# Allegro board MB1225_REVB_160222_1K.brd
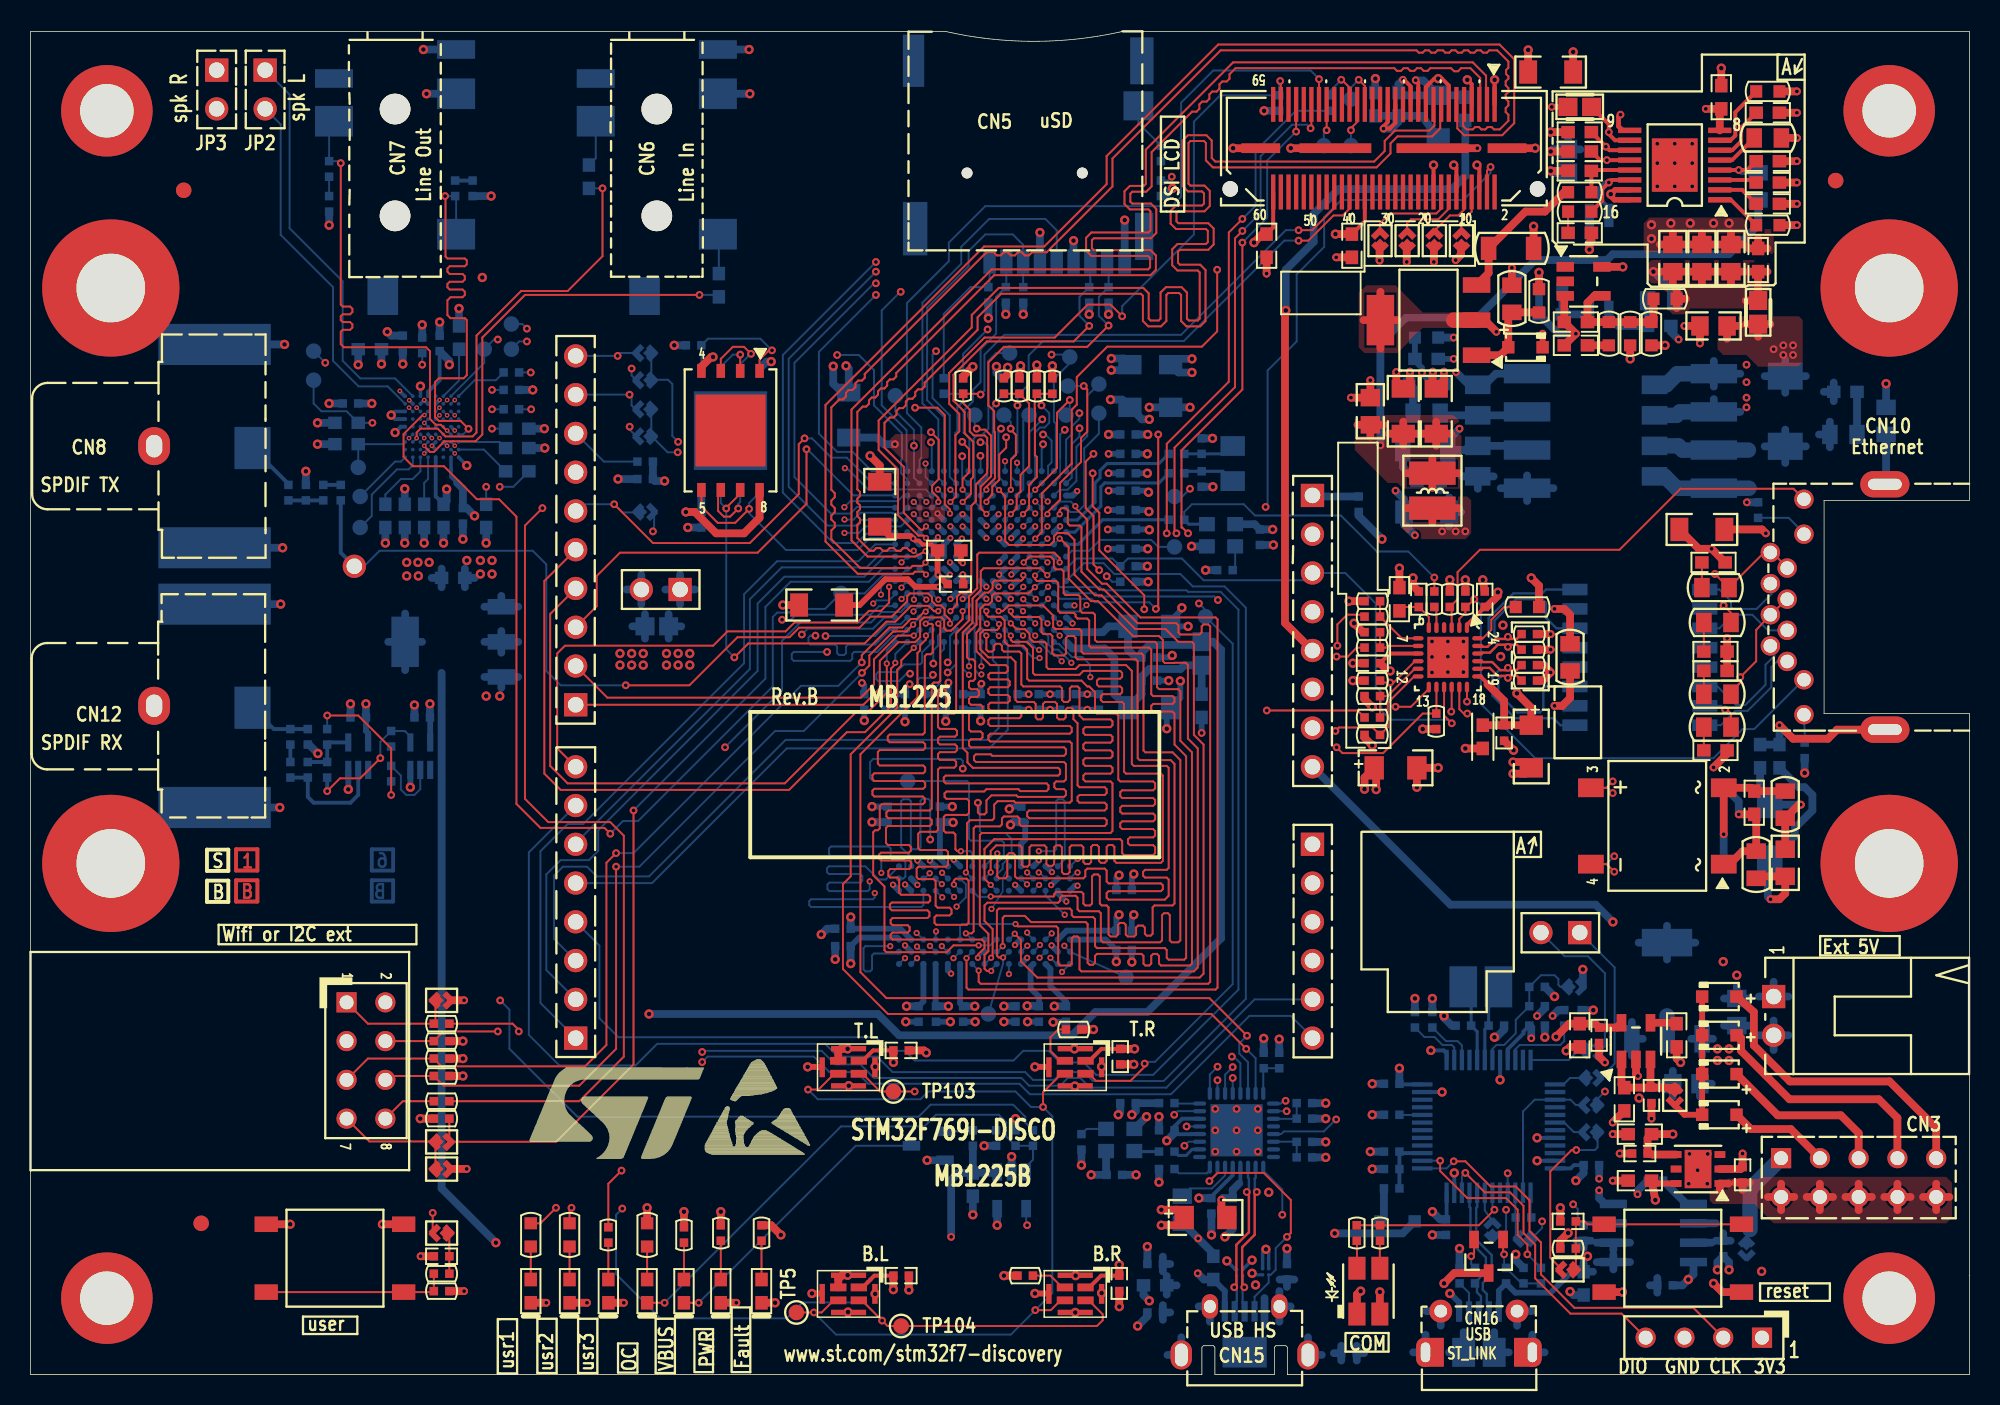
[diagram p0: board, top side]
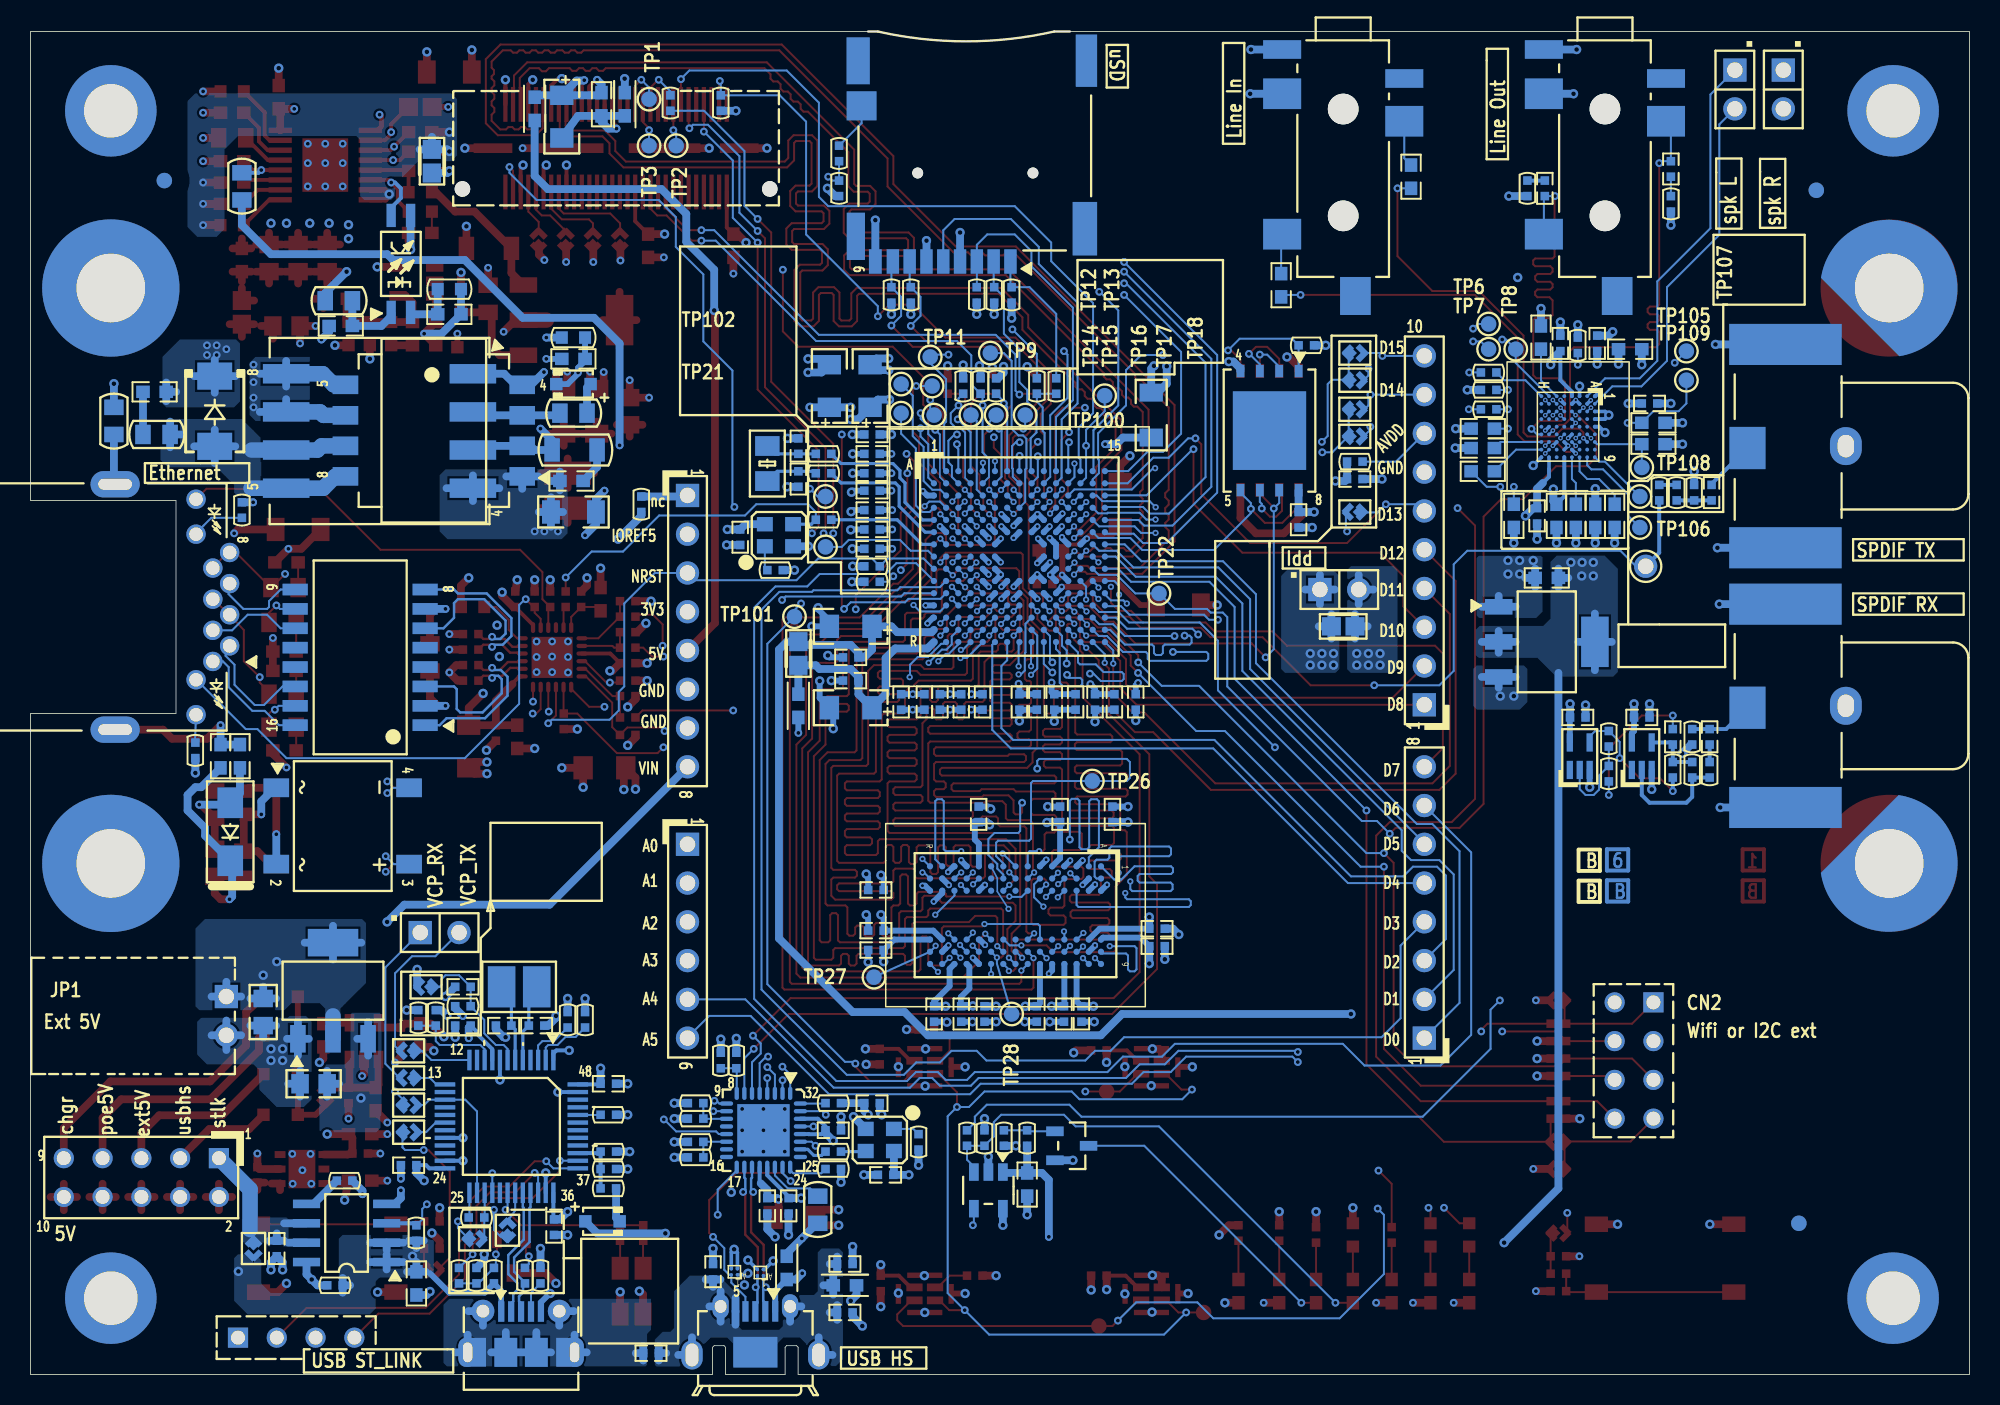
[diagram p1: board, bottom side, seen from below]

Outline 127 x 88 mm; copper layers: TOP, L2_GND, L3_VCC, L4_SIG, L5_GND, BOTTOM. Coordinates in mm from the lower left corner of the outline.
Outline path: 0,88 0,0 76.72,0 76.72,1.79 76.82,1.89 77.47,1.89 77.57,1.79 77.57,0 81.47,0 81.47,1.79 81.57,1.89 82.22,1.89 82.32,1.79 82.32,0 127,0 127,43.31 117.47,43.31 117.47,57.28 127,57.28 127,88 71.5,88 arc(65.72,87.36) 59.94,88 0,88

## Design rules (mm)
net group NETB1_2: nets NETB1_2 NETC54_2
net group NETC12_2: nets NETC12_2 NETR5_2
net group NETC26_2: nets NETC26_2 NETCN10_7
net group NETC32_2: nets NETC32_2 NETD9_4
net group NETC37_2: nets NETC37_2 NETD9_3
net group NETC39_1: nets NETC39_1 NETR3_2
net group NETC39_2: nets NETC8_2 NETC39_2
net group NETC57_1: nets NETC57_1 NETC57_2
net group NETC58_1: nets NETC58_1 NETC58_2
net group NETC59_1: nets NETC59_1 NETC59_2
net group NETC62_1: nets NETC62_1 NETC62_2
net group NETC82_1: nets NETC82_1 NETC82_2
net group NETC148_1: nets NETC148_1 NETR142_1
net group NETCN2_8: nets NETCN2_8 PD2
net group NETCN9_8: nets NETCN9_8 VREF+
net group NETLD3_1: nets NETLD3_1 NETR64_2
net group NETR38_1: nets NETR38_1 NETR38_2
net group NETR88_2: nets NETR88_2 PD12
net group NETR95_2: nets NETR95_2 PB7
net group NETR136_2: nets NETR136_2 OSC_24M
net group RD: nets RD_N RD_P
net group T_JTMS: nets T_JTMS T_SWDIO_IN
net group TD: nets TD_N TD_P
net group USB_HS: nets USB_HS_N USB_HS_P
net group USB_STLK: nets USB_STLK_N USB_STLK_P
net group 3V3_ST_LINK: nets AIN_1 NETD11_2 PWR_EXT STM_RST
net group 5V: nets NETLD6_1
net group 5V_USB_CHARGER: nets NETLD7_1 NETLD7_2 NETR145_1 PWR_ENN USB_RENUMN
net group AGND: nets NETR4_2
net group CRL: nets PF11 PG15 PH2 PH3
net group DSI: nets DSI.DSI_CK_N DSI.DSI_CK_P DSI.DSI_D0_N DSI.DSI_D0_P DSI.DSI_D1_N DSI.DSI_D1_P
net group LED_STLINK: nets LED_STLINK NETLD8_2 NETLD8_3
net group NETC21_1: nets NETC21_1
net group NETC22_1: nets NETC22_1
net group NETC44_1: nets NETR51_1
net group NETC87_1: nets NETC87_1 NETC87_2 NETR100_2 PD11
net group NETC119_1: nets NETC119_1 NETC119_2 NETR112_1 PG12
net group NETC120_1: nets NETC120_1 NETC120_2 NETR115_1
net group NETD1_1: nets NETD1_1 NETD1_2 NETR2_1
net group NETR71_1: nets NETR71_1
net group QSPI: nets PB6

## Placement (name value [footprint] x y rotation side)
B1  SW-PUSH-CMS_BLUE  [PB10]  19.94 7.62 180 top
B2  SW-PUSH-CMS_BLACK  [PB10]  107.57 7.62 180 top
C1  100nF  [0603C]  86.55 73.96 90 top
C2  100nF  [0603C]  80.96 73.96 90 top
C3  1nF_2KV_X7R_10%_1206  [1206C]  99.57 85.34 180 top
C4  1nF_100V_X7R_10%_0603  [0603C]  110.74 83.69 90 top
C5  10nF_100V_X7R_10%_0603  [0603C]  113.79 82.68 180 top
C6  100nF_50V_X7R_10%_0603  [0603C]  101.47 81.41 0 top
C7  100nF_50V_X7R_10%_0603  [0603C]  101.47 80.14 0 top
C8  1nF_100V_X7R_10%_0603  [0603C]  113.79 79.5 180 top
C9  470pF_100V_X7R_10%_0603  [0603C]  101.47 78.87 0 top
C10  10nF_100V_X7R_10%_0603  [0603C]  113.79 78.11 0 top
C11  100nF_50V_X7R_10%_0603  [0603C]  113.79 76.71 0 top
C12  100nF_50V_X7R_10%_0603  [0603C]  101.47 74.8 180 top
C13  47uF_X5R_20%_0805  [0805C]  107.57 73.15 270 top
C14  47uF_X5R_20%_0805  [0805C]  109.47 73.15 270 top
C15  47uF_X5R_20%_0805  [0805C]  111.38 73.15 270 top
C16  100nF_X7R_10%_0603  [0603C]  113.16 73.03 270 top
C17  100pF_50V_X7R_10%_0603  [0603C]  101.22 68.96 0 top
C18  47uF_X5R_20%_0805  [0805C]  110.24 68.71 0 top
C19  22nF_50V_X7R_10%_0603  [0603C]  101.22 67.44 0 top
C20  4.7uF_100V_X7S_20%_1206  [1206C]  91.44 56.52 0 bottom
C21  560pF_X7R_10%_0603  [0603C]  118.87 64.39 180 bottom
C22  27pF_100V_NPO_5%_0603  [0603C]  91.57 58.55 0 bottom
C23  2.2uF[N_A]  [1206C]  55.63 57.02 270 top
C24  1uF_25V_X5R_10%_0603  [0603C]  91.44 66.55 180 bottom
C25  2.2uF  [0603C]  60.17 54 180 top
C26  1nF_100V  [0603C]  110.24 53.21 180 top
C27  100nF  [0402C]  60.58 51.79 180 top
C28  1uF  [0603C]  89.66 50.8 270 top
C29  470pF  [0402C]  90.93 50.8 270 top
C30  100nF  [0402C]  95.25 50.8 270 top
C31  2.2uF  [1206C]  51.82 50.42 0 top
C32  1nF_100V  [0603C]  110.36 47.37 180 top
C33  100nF  [0402C]  87.88 46.61 0 top
C34  1nF_100V  [0603C]  110.36 46.1 180 top
C35  100nF  [0402C]  96.52 42.04 90 top
C36  10uF  [TAN-A]  98.3 41.15 90 top
C37  1nF_100V  [0603C]  110.36 40.89 180 top
C38  10uF  [TAN-A]  89.41 39.75 180 top
C39  1nF_100V_X7R_10%_0603  [0603C]  112.9 37.47 270 top
C40  100nF_100V_X7R_10%_0805  [0805C]  114.94 33.53 270 top
C41  1uF  [0603C]  101.47 22.23 270 top
C42  100nF  [0402C]  102.74 22.23 90 top
C43  10nF  [0603C]  107.82 22.23 90 top
C44  100nF  [0402C]  57.02 21.23 0 top
C45  100nF  [0402C]  71.37 20.83 270 top
C46  100nF  [0402C]  106.17 18.29 90 top
C47  1uF  [0603C]  104.39 18.03 90 top
C48  1uF  [0603C]  105.41 15.75 0 top
C49  100nF  [0402C]  105.41 14.48 0 top
C50  100nF  [0402C]  112.14 13.08 270 top
C51  1uF  [0603C]  105.41 12.7 0 top
C52  2.2uF_X7R_10%_0805  [TAN-A]  76.96 10.29 180 top
C53  100nF  [0402C]  100.71 10.03 0 top
C54  100nF  [0402C]  26.92 7.75 0 top
C55  100nF  [0402C]  57.02 6.48 0 top
C56  100nF  [0402C]  71.31 5.97 270 top
C57  100nF  [0402C]  19.56 78.99 270 bottom
C58  1uF  [0603C]  36.58 78.49 90 bottom
C59  100nF  [0402C]  27.81 77.72 90 bottom
C60  100nF  [0603C]  89.6 83.23 90 bottom
C61  10uF  [TAN-A]  92.2 82.42 90 bottom
C62  1uF  [0603C]  45.09 71.37 90 bottom
C63  1uF  [0603C]  28.07 67.94 270 bottom
C64  100nF  [0402C]  26.8 67.56 90 bottom
C65  100nF  [0402C]  24.38 67.56 90 bottom
C66  1uF_25V_X5R_10%_0603  [0603C]  106.68 68.71 0 bottom
C67  1uF  [0603C]  22.23 67.18 0 bottom
C68  4.7uF  [TAN-A]  74.68 64.77 270 bottom
C69  4.7uF  [TAN-A]  72.01 64.77 270 bottom
C70  4.7uF_100V_X7S_20%_1206  [1206C]  89.92 63.12 270 top
C71  100nF  [0402C]  20.95 63.63 180 bottom
C72  2.2uF  [1206C]  53.59 62.87 270 bottom
C73  4.7uF  [0603C]  20.7 62.36 0 bottom
C74  2.2uF  [0603C]  31.88 61.98 0 bottom
C75  4.7uF_100V_X7S_20%_1206  [1206C]  92.08 63.12 270 top
C76  100nF  [0402C]  71.88 61.59 180 bottom
C77  5.1pF_NPO_-+0.25pF_0402  [0402C]  76.71 60.83 270 bottom
C78  2.2uF  [0603C]  31.88 60.71 0 bottom
C79  4.7uF  [0603C]  20.7 60.96 0 bottom
C80  100nF  [0402C]  71.88 60.33 180 bottom
C81  100nF_100V_X7R_10%_0805  [0805C]  87.76 63.12 270 top
C82  2.2uF  [0603C]  31.88 59.18 0 bottom
C83  100nF  [0402C]  71.88 59.05 180 bottom
C84  5.1pF_NPO_-+0.25pF_0402  [0402C]  76.71 58.67 90 bottom
C85  [NA]  [0402C]  40.26 58.67 0 bottom
C86  100nF  [0402C]  71.88 57.91 180 bottom
C87  100nF  [0402C]  16.89 57.78 90 bottom
C88  100nF  [0402C]  71.88 56.64 180 bottom
C89  1nF_2KV  [1206C]  109.47 55.37 180 top
C90  1uF  [0603C]  29.84 56.26 270 bottom
C91  100nF  [0402C]  28.32 56.26 270 bottom
C92  4.7uF  [0603C]  27.05 56.26 270 bottom
C93  4.7uF  [0603C]  25.78 56.26 270 bottom
C94  4.7uF  [0603C]  24.51 56.26 270 bottom
C95  4.7uF  [0603C]  23.24 56.26 90 bottom
C96  100nF_X7R_10%_0402  [0402C]  43.94 56.01 90 bottom
C97  100nF  [0402C]  71.88 55.37 180 bottom
C98  100nF  [0402C]  80.52 54.86 90 bottom
C99  100nF  [0402C]  71.88 54.1 180 bottom
C100  10uF  [0603C]  27.69 52.2 180 bottom
C101  1uF  [TAN-A]  73.28 49.02 180 bottom
C102  100nF  [0402C]  73.28 46.99 180 bottom
C103  100nF  [0402C]  73.28 45.47 180 bottom
C104  100nF  [0402C]  69.98 44.07 90 bottom
C105  100nF  [0402C]  68.45 44.07 90 bottom
C106  100nF  [0402C]  67.44 44.07 90 bottom
C107  100nF  [0402C]  66.04 44.07 90 bottom
C108  100nF  [0402C]  64.64 44.07 90 bottom
C109  100nF  [0402C]  62.23 44.07 90 bottom
C110  100nF  [0402C]  61.09 44.07 90 bottom
C111  100nF  [0402C]  59.94 44.07 90 bottom
C112  100nF  [0402C]  58.55 44.07 90 bottom
C113  100nF  [0402C]  57.28 44.07 90 bottom
C114  100nF  [0402C]  56.01 44.07 90 bottom
C115  100nF  [0402C]  54.61 44.07 90 bottom
C116  1uF  [TAN-A]  73.28 43.69 180 bottom
C117  100nF  [0402C]  25.65 43.05 0 bottom
C118  100nF  [0402C]  21.46 43.05 0 bottom
C119  22nF  [0402C]  19.43 41.78 90 bottom
C120  22nF  [0402C]  17.02 41.78 270 bottom
C121  1nF_100V_X7R_10%_0603  [0603C]  114.55 40.51 270 bottom
C122  1nF_100V_X7R_10%_0603  [0603C]  113.28 40.51 90 bottom
C123  100nF_X7R_10%_0402  [0402C]  64.9 36.7 270 bottom
C124  100nF_X7R_10%_0402  [0402C]  59.56 36.7 270 bottom
C125  100nF_X7R_10%_0402  [0402C]  56.13 36.7 270 bottom
C126  100nF_X7R_10%_0402  [0402C]  71.63 31.75 180 bottom
C127  100nF_X7R_10%_0402  [0402C]  53.21 29.21 0 bottom
C128  100nF_X7R_10%_0402  [0402C]  71.63 29.08 180 bottom
C129  10uF  [0805C]  108.46 19.05 180 bottom
C130  100nF_X7R_10%_0402  [0402C]  53.21 28.07 0 bottom
C131  100nF_X7R_10%_0402  [0402C]  71.63 27.81 180 bottom
C132  100nF  [0402C]  98.68 25.4 180 bottom
C133  100nF_X7R_10%_0402  [0402C]  67.82 23.62 90 bottom
C134  100nF_X7R_10%_0402  [0402C]  66.04 23.62 90 bottom
C135  100nF_X7R_10%_0402  [0402C]  64.52 23.62 90 bottom
C136  100nF_X7R_10%_0402  [0402C]  61.09 23.62 90 bottom
C137  100nF_X7R_10%_0402  [0402C]  59.31 23.62 90 bottom
C138  100nF_X7R_10%_0402  [0402C]  58.17 23.62 90 bottom
C139  10uF  [0805C]  111.76 23.75 90 bottom
C140  100nF  [0402C]  98.68 22.86 0 bottom
C141  10pF  [0402C]  96.01 22.86 180 bottom
C142  10pF  [0402C]  93.85 22.86 0 bottom
C143  100nF  [0402C]  89.15 19.05 0 bottom
C144  100nF  [0402C]  71.88 17.78 180 bottom
C145  100nF  [0402C]  74.42 16 0 bottom
C146  100nF  [0402C]  102.23 13.72 180 bottom
C147  100nF_X7R_10%_0402  [0402C]  70.99 13.08 0 bottom
C148  4.7uF_X5R_10%_0603  [0603C]  61.72 12.45 270 bottom
C149  100nF  [0402C]  78.74 11.05 90 bottom
C150  100nF  [0402C]  77.34 11.05 270 bottom
C151  100nF  [0402C]  92.71 9.65 90 bottom
C152  100nF  [0402C]  110.87 8.26 90 bottom
C153  100nF  [0402C]  73.66 7.24 0 bottom
C154  100nF  [0402C]  82.3 6.73 270 bottom
C155  1uF  [0603C]  101.73 5.97 90 bottom
C156  100nF  [0402C]  73.66 4.06 0 bottom
C157  100nF  [0402C]  86.36 1.4 180 bottom
C200  10nF_X7R_10%_0603  [0603C]  99.57 69.47 180 bottom
CN1  QSH-030-01-F-D-A-TR  [QSH-030-01-F-D-A]  88.65 80.35 180 top
CN2  Header F Straight 4x2H  [HDR_2X4_2R54]  20.7 24.38 270 top
CN3  Header M Straight 5x2H  [HDR_2X5_2R54]  114.66 14.17 0 bottom
CN4  Header 4  [HDR_1X4_2R54]  113.41 2.41 180 top
CN5  PJS008-2003  [MSD_PJS008_]  61.34 78.73 0 bottom
CN6  PJ3028B-3_BE  [PJ3028B]  41.02 82.92 270 bottom
CN7  PJ3028B-3_GR  [PJ3028B]  23.88 82.92 270 bottom
CN8  RCA_SMD_Y  [PHONE_JACK_JBB0819100002]  12.38 60.83 90 bottom
CN9  BL 1-10 G  [HDR_1X10_2R54_W]  35.71 43.88 90 bottom
CN10  KRJ-CB4  [RJ45_LED_KRJ-CB4R2GYZNL_EM]  114.51 50.29 270 bottom
CN11  BL 1-8 G  [HDR_1X8_2R54_W]  83.97 57.6 270 bottom
CN12  RCA_SMD_W  [PHONE_JACK_JBB0819100002]  12.38 43.81 90 bottom
CN13  BL 1-8 G  [HDR_1X8_2R54_W]  35.71 22.04 90 bottom
CN14  BL 1-6 G  [HDR_1X6_2R54_W]  83.97 34.74 270 bottom
CN15  475900001  [MOLEX_47590001]  79.52 4.14 180 bottom
CN16  1050170001  [MICRO_USB_B_105017]  94.87 4.05 180 bottom
D1  BAT46JFILM  [SOD-323]  97.92 67.31 0 top
D2  STPS2L40UF  [SMB]  114.94 63.12 270 bottom
D3  BAT46JFILM  [SOD-323]  91.44 64.9 0 bottom
D4  DF01S  [DBS101-107G]  106.55 35.94 90 top
D5  BAT60JFILM  [SOD-323]  110.62 24.77 180 top
D6  BAT60JFILM  [SOD-323]  110.62 22.23 180 top
D7  BAT60JFILM  [SOD-323]  110.62 19.68 180 top
D8  BAT60JFILM  [SOD-323]  110.62 17.02 180 top
D9  DF01S  [DBS101-107G]  106.55 35.94 270 bottom
D10  SMAJ58A  [SMA]  113.92 35.56 270 bottom
D11  BAT60JFILM  [SOD-323]  89.53 10.03 180 bottom
D12  ESDA14V2-2BF3  [BGA4_0R4_0R8X0R8]  80.9 6.73 0 bottom
D13  USBULC6-2F3  [BGA4_0R4_0R8X0R8]  79.2 6.68 0 bottom
H1  POSITION HOLE C6D3R5  [HOLE_C6D3R5]  5 82.8 0 top
H2  POSITION HOLE C6D3R5  [HOLE_C6D3R5]  121.74 82.8 0 top
H3  POSITION HOLE  [HOLE_C9D4R5]  5.26 71.19 0 top
H4  POSITION HOLE  [HOLE_C9D4R5]  121.74 71.19 0 top
H5  POSITION HOLE  [HOLE_C9D4R5]  121.74 33.49 0 top
H6  POSITION HOLE C6D3R5  [HOLE_C6D3R5]  5 5 0 top
H7  POSITION HOLE C6D3R5  [HOLE_C6D3R5]  121.74 5 0 top
H8  POSITION HOLE  [HOLE_C9D4R5]  5.26 33.49 270 top
JP1  WF25402-06421  [HDR_1X2_2R54_RA_11R35]  114.17 24.77 90 top
JP2  JP2  [SIP2]  15.37 85.47 270 bottom
JP3  JP2  [SIP2]  12.19 85.47 270 bottom
JP4  JP2  [SIP2]  42.55 51.44 180 bottom
JP5  JP2  [SIP2]  101.47 28.96 180 bottom
L2  BLM18PG121SN1D  [0603L]  95.12 41.78 270 top
L3  FCM1608KF-601T03  [0603L]  88.07 83.23 270 bottom
L4  FCM1608KF-601T03  [0603L]  93.98 82.93 90 bottom
L5  ME3220-562ML  [LSM2_3R2X2R8_H2]  91.82 57.91 90 top
L6  FCM1608KF-601T03  [0603L]  76.71 43.81 90 bottom
L7  BLM18PG121SN1D  [0603L]  77.47 6.99 270 bottom
L8  BLM18PG121SN1D  [0603L]  73.66 5.84 0 bottom
LD1  LED, red  [0603D]  32.77 5.46 270 top
LD2  LED, green  [0603D]  35.31 5.46 270 top
LD3  LED, green  [0603D]  37.85 5.46 270 top
LD4  LED, red  [0603D]  40.39 5.46 270 top
LD5  LED, green  [0603D]  42.8 5.46 270 top
LD6  LED, red  [0603D]  45.21 5.46 270 top
LD7  LED, red  [0603D]  47.88 5.46 270 top
LD8  LD_BICOLOR_CMS  [LED2_3528]  87.63 5.46 0 top
NOREF  -  []  267.64 147.85 0 top
NOREF#2  -  []  -21.09 24.59 0 top
NOREF#3  -  []  12.32 228.5 0 top
NOREF#4  -  []  181.86 211.07 0 top
NOREF#5  -  []  13.59 -41.66 0 top
NOREF#6  -  []  450.6 -120.4 0 top
NOREF#7  -  []  0 0 0 top
NOREF#8  -  []  -21.09 22.05 0 top
NOREF#9  -  [unnamed#2]  118.24 78.23 0 top
NOREF#10  -  [unnamed#2]  11.18 9.91 0 top
NOREF#11  -  [unnamed#2]  10.03 77.6 0 top
NOREF#12  -  [unnamed#2]  10.03 77.6 180 bottom
NOREF#13  -  [unnamed#2]  11.18 9.91 180 bottom
NOREF#14  -  [unnamed#2]  118.24 78.23 180 bottom
R1  75K_1%_0603  [0603R]  113.79 84.07 180 top
R2  0_5%_0603  [0603R-GS]  101.47 83.06 180 top
R3  2K_1%_0805  [0805R]  113.79 81.03 180 top
R4  510_1%_0603  [0603R]  101.47 77.47 180 top
R5  1K_1%_0603  [0603R]  101.47 76.2 0 top
R6  124K_1%_0603  [0603R]  113.79 75.31 0 top
R7  0  [0402R]  85.09 83.31 90 bottom
R8  10K  [0402R]  81.79 83.31 90 bottom
R9  0.47_1%_1206  [1206R]  97.03 73.79 180 top
R10  56_1%_0805  [0805R]  97.03 70.48 270 top
R11  20K_1%_0603  [0603R]  107.06 70.48 0 top
R12  10K_1%_0603  [0603R]  98.81 70.36 270 top
R13  10K_1%_0603  [0603R]  103.38 68.2 90 top
R14  13K_1%_0603  [0603R]  104.78 68.2 90 top
R15  13K_1%_0603  [0603R]  106.17 68.2 90 top
R16  0_5%_0603  [0603R-GS]  113.16 69.6 90 top
R17  2K7  [0402R]  61.09 64.77 90 top
R18  10K_1%_0402  [0402R]  63.75 64.77 270 top
R19  [NA]  [0402R]  64.77 64.77 270 top
R20  10K_1%_0402  [0402R]  65.91 64.77 270 top
R21  [NA]  [0402R]  66.93 64.77 270 top
R22  15  [0805R]  118.75 61.59 0 bottom
R23  200  [1206R]  91.31 60.58 0 bottom
R24  68  [0805R]  91.44 62.99 0 bottom
R25  10K_1%_0603  [0603R]  91.44 67.94 180 bottom
R26  75  [0805R]  110.36 51.56 0 top
R27  100  [0402R]  91.95 50.8 270 top
R28  10K  [0402R]  92.96 50.8 270 top
R29  10K  [0402R]  93.98 50.8 270 top
R30  10K  [0402R]  87.88 50.67 180 top
R31  12K1  [0603R]  98.04 50.29 0 top
R32  33  [0402R]  87.88 49.66 180 top
R33  75  [0805R]  110.49 49.28 0 top
R34  10K  [0402R]  87.88 48.64 180 top
R35  50  [0402R]  98.17 48.51 180 top
R36  33  [0402R]  87.88 47.62 180 top
R37  50  [0402R]  98.17 47.5 180 top
R38  0_5%_0805  [0805R]  100.84 46.99 270 top
R39  50  [0402R]  98.17 46.48 180 top
R40  10K  [0402R]  87.88 45.47 0 top
R41  50  [0402R]  98.17 45.47 180 top
R42  75  [0805R]  110.49 44.58 0 top
R43  10K  [0402R]  87.88 44.45 180 top
R44  33  [0402R]  87.88 43.05 180 top
R45  10K  [0402R]  92.08 42.8 270 top
R46  75  [0805R]  110.49 42.42 0 top
R47  1K5  [0402R]  87.88 41.91 180 top
R48  0  [0805R]  114.94 37.34 270 top
R49  0  [0805R]  113.03 33.4 270 top
R50  1K  [0402R]  26.92 22.99 180 top
R51  10K  [0402R]  68.33 22.61 0 top
R52  10K  [0402R]  26.92 16.76 180 top
R54  10K  [0402R]  26.92 19.56 180 top
R56  10K  [0402R]  26.92 20.7 180 top
R57  1K  [0402R]  26.92 17.91 0 top
R58  1K  [0402R]  45.21 9.27 270 top
R59  1K  [0402R]  47.88 9.27 90 top
R60  330  [0402R]  86.87 9.27 270 top
R61  330  [0402R]  88.39 9.27 270 top
R62  1K_1%_0603  [0603R]  32.77 9.14 270 top
R63  330_1%_0603  [0603R]  35.31 9.14 270 top
R64  510_1%_0402  [0402R]  37.85 9.14 90 top
R65  620_1%_0603  [0603R]  40.39 9.14 90 top
R66  330_1%_0402  [0402R]  42.8 9.14 90 top
R67  10K_1%_0402  [0402R]  100.71 8.26 180 top
R68  10K  [0402R]  26.92 6.6 180 top
R70  10K  [0402R]  26.92 5.46 180 top
R71  10K  [0402R]  65.15 6.48 180 top
R73  0_5%_0402  [0402R]  74.04 80.01 90 bottom
R74  0  [0603R-GS]  100.71 79.5 90 bottom
R75  10_1%_0805  [0805R]  113.16 77.85 270 bottom
R76  [NA]  [0402R]  74.04 77.72 270 bottom
R77  20  [0402R]  28.96 77.72 270 bottom
R78  20  [0402R]  19.56 76.71 270 bottom
R79  47K_1%_0402  [0402R]  70.61 70.74 270 bottom
R80  47K_1%_0402  [0402R]  69.34 70.74 270 bottom
R81  47K_1%_0402  [0402R]  65.02 70.74 270 bottom
R82  47K_1%_0402  [0402R]  63.88 70.74 270 bottom
R83  47K_1%_0402  [0402R]  62.74 70.74 270 bottom
R84  0_5%_0805  [0805R]  106.81 70.36 0 bottom
R85  1K_1%_0603  [0603R]  99.57 71.12 180 bottom
R86  10K_1%_0402  [0402R]  43.43 67.44 180 bottom
R87  10K  [0402R]  25.65 67.44 90 bottom
R88  0  [0402R]  31.5 65.66 180 bottom
R89  2K7  [0402R]  65.91 64.77 270 bottom
R90  2K7  [0402R]  64.77 64.77 270 bottom
R91  2K7  [0402R]  63.75 64.77 270 bottom
R92  [NA]  [0402R]  61.09 64.77 270 bottom
R93  0  [0402R]  59.82 64.77 270 bottom
R94  [NA]  [0402R]  31.5 64.52 0 bottom
R95  0  [0402R]  31.5 63.25 180 bottom
R96  0_5%_0805  [0805R]  121.54 62.48 90 bottom
R97  0  [0402R]  75.06 60.33 180 bottom
R98  0  [0402R]  40.26 59.82 0 bottom
R99  0  [0402R]  75.06 59.05 180 bottom
R100  0  [0402R]  20.32 57.78 90 bottom
R101  210  [0402R]  19.18 57.78 270 bottom
R102  110  [0402R]  18.03 57.78 90 bottom
R103  1K  [0402R]  87 57.02 270 bottom
R104  100_1%_0402  [0402R]  75.06 56.01 180 bottom
R105  330  [0402R]  113.16 56.64 270 bottom
R106  10K_1%_0402  [0402R]  71.88 52.96 0 bottom
R107  10K_1%_0402  [0402R]  78.23 52.7 0 bottom
R108  10K  [0402R]  71.88 51.94 180 bottom
R109  0  [0603R-GS]  41.02 49.02 180 bottom
R110  0  [0603R-GS]  76.71 47.24 90 bottom
R111  75  [0402R]  18.16 41.78 90 bottom
R112  1M  [0402R]  23.62 41.66 90 bottom
R113  330  [0402R]  116.2 40.89 90 bottom
R114  [NA]  [0402R]  19.43 39.62 270 bottom
R115  1M  [0402R]  18.16 39.62 90 bottom
R116  100  [0402R]  17.02 39.62 270 bottom
R117  100  [0402R]  23.62 39.37 90 bottom
R118  100K_1%_0402  [0402R]  98.68 24.13 0 bottom
R119  4K7  [0402R]  101.6 23.37 270 bottom
R120  4K7  [0402R]  100.46 23.37 270 bottom
R121  [NA]  [0402R]  91.82 23.24 270 bottom
R122  10K  [0402R]  90.68 23.24 270 bottom
R123  0_5%_0402  [0402R]  81.79 20.57 90 bottom
R124  [NA]  [0402R]  80.77 20.57 270 bottom
R125  0_5%_0402  [0402R]  83.44 17.78 0 bottom
R126  0_5%_0402  [0402R]  74.42 17.78 180 bottom
R127  100K_1%_0402  [0402R]  89.15 17.02 0 bottom
R128  [NA]  [0402R]  83.44 16.76 180 bottom
R129  0  [0402R]  65.66 15.49 90 bottom
R130  3K3  [0402R]  64.52 15.49 270 bottom
R131  100K_1%_0402  [0402R]  63.25 15.49 270 bottom
R132  47K_1%_0402  [0402R]  61.72 15.49 90 bottom
R133  [NA]  [0402R]  83.44 15.24 180 bottom
R134  10K_1%_0402  [0402R]  68.83 15.24 90 bottom
R135  4K7_1%_0402  [0402R]  89.15 14.61 0 bottom
R136  100_1%_0402  [0402R]  74.42 14.61 0 bottom
R137  0_5%_0402  [0402R]  83.44 14.22 0 bottom
R138  0  [0402R]  89.15 13.46 180 bottom
R139  8K06_1%_0402  [0402R]  74.42 13.46 180 bottom
R140  2K2  [0402R]  106.43 12.7 180 bottom
R141  2K7_1%_0402  [0402R]  89.15 12.19 180 bottom
R142  820_1%_0805  [0805R]  75.44 10.79 270 bottom
R143  100  [0402R]  97.79 10.29 0 bottom
R144  10K  [0402R]  101.73 9.27 270 bottom
R145  100  [0402R]  98.93 6.48 90 bottom
R146  36K  [0402R]  97.79 6.48 270 bottom
R147  10K  [0402R]  96.65 6.48 270 bottom
R148  1K5  [0402R]  94.61 6.48 90 bottom
R149  100K  [0402R]  93.6 6.48 270 bottom
R150  100K  [0402R]  107.06 5.84 180 bottom
R200  10K  [0402R]  26.92 21.84 180 top
SB1  Solder Bridge ON  [JP2_SMD]  93.73 74.3 270 top
SB2  Solder Bridge ON  [JP2_SMD]  91.95 74.3 270 top
SB3  Solder Bridge ON  [JP2_SMD]  90.17 74.3 270 top
SB4  Solder Bridge ON  [JP2_SMD]  88.39 74.3 270 top